# Altium PCB Iris.PcbDoc (part 6 of 13)
Units mm, origin at the board's own origin, x right, y up, seen from the top; angles counter-clockwise.
Board outline 100 x 72 mm, 6 copper layers (Top Layer, PowerPlane1, MidLayer1, MidLayer2, PowerPlane2, Bottom Layer), stack 1.561 mm thick; 396 components, 379 nets, 1616 pads, 658 vias.
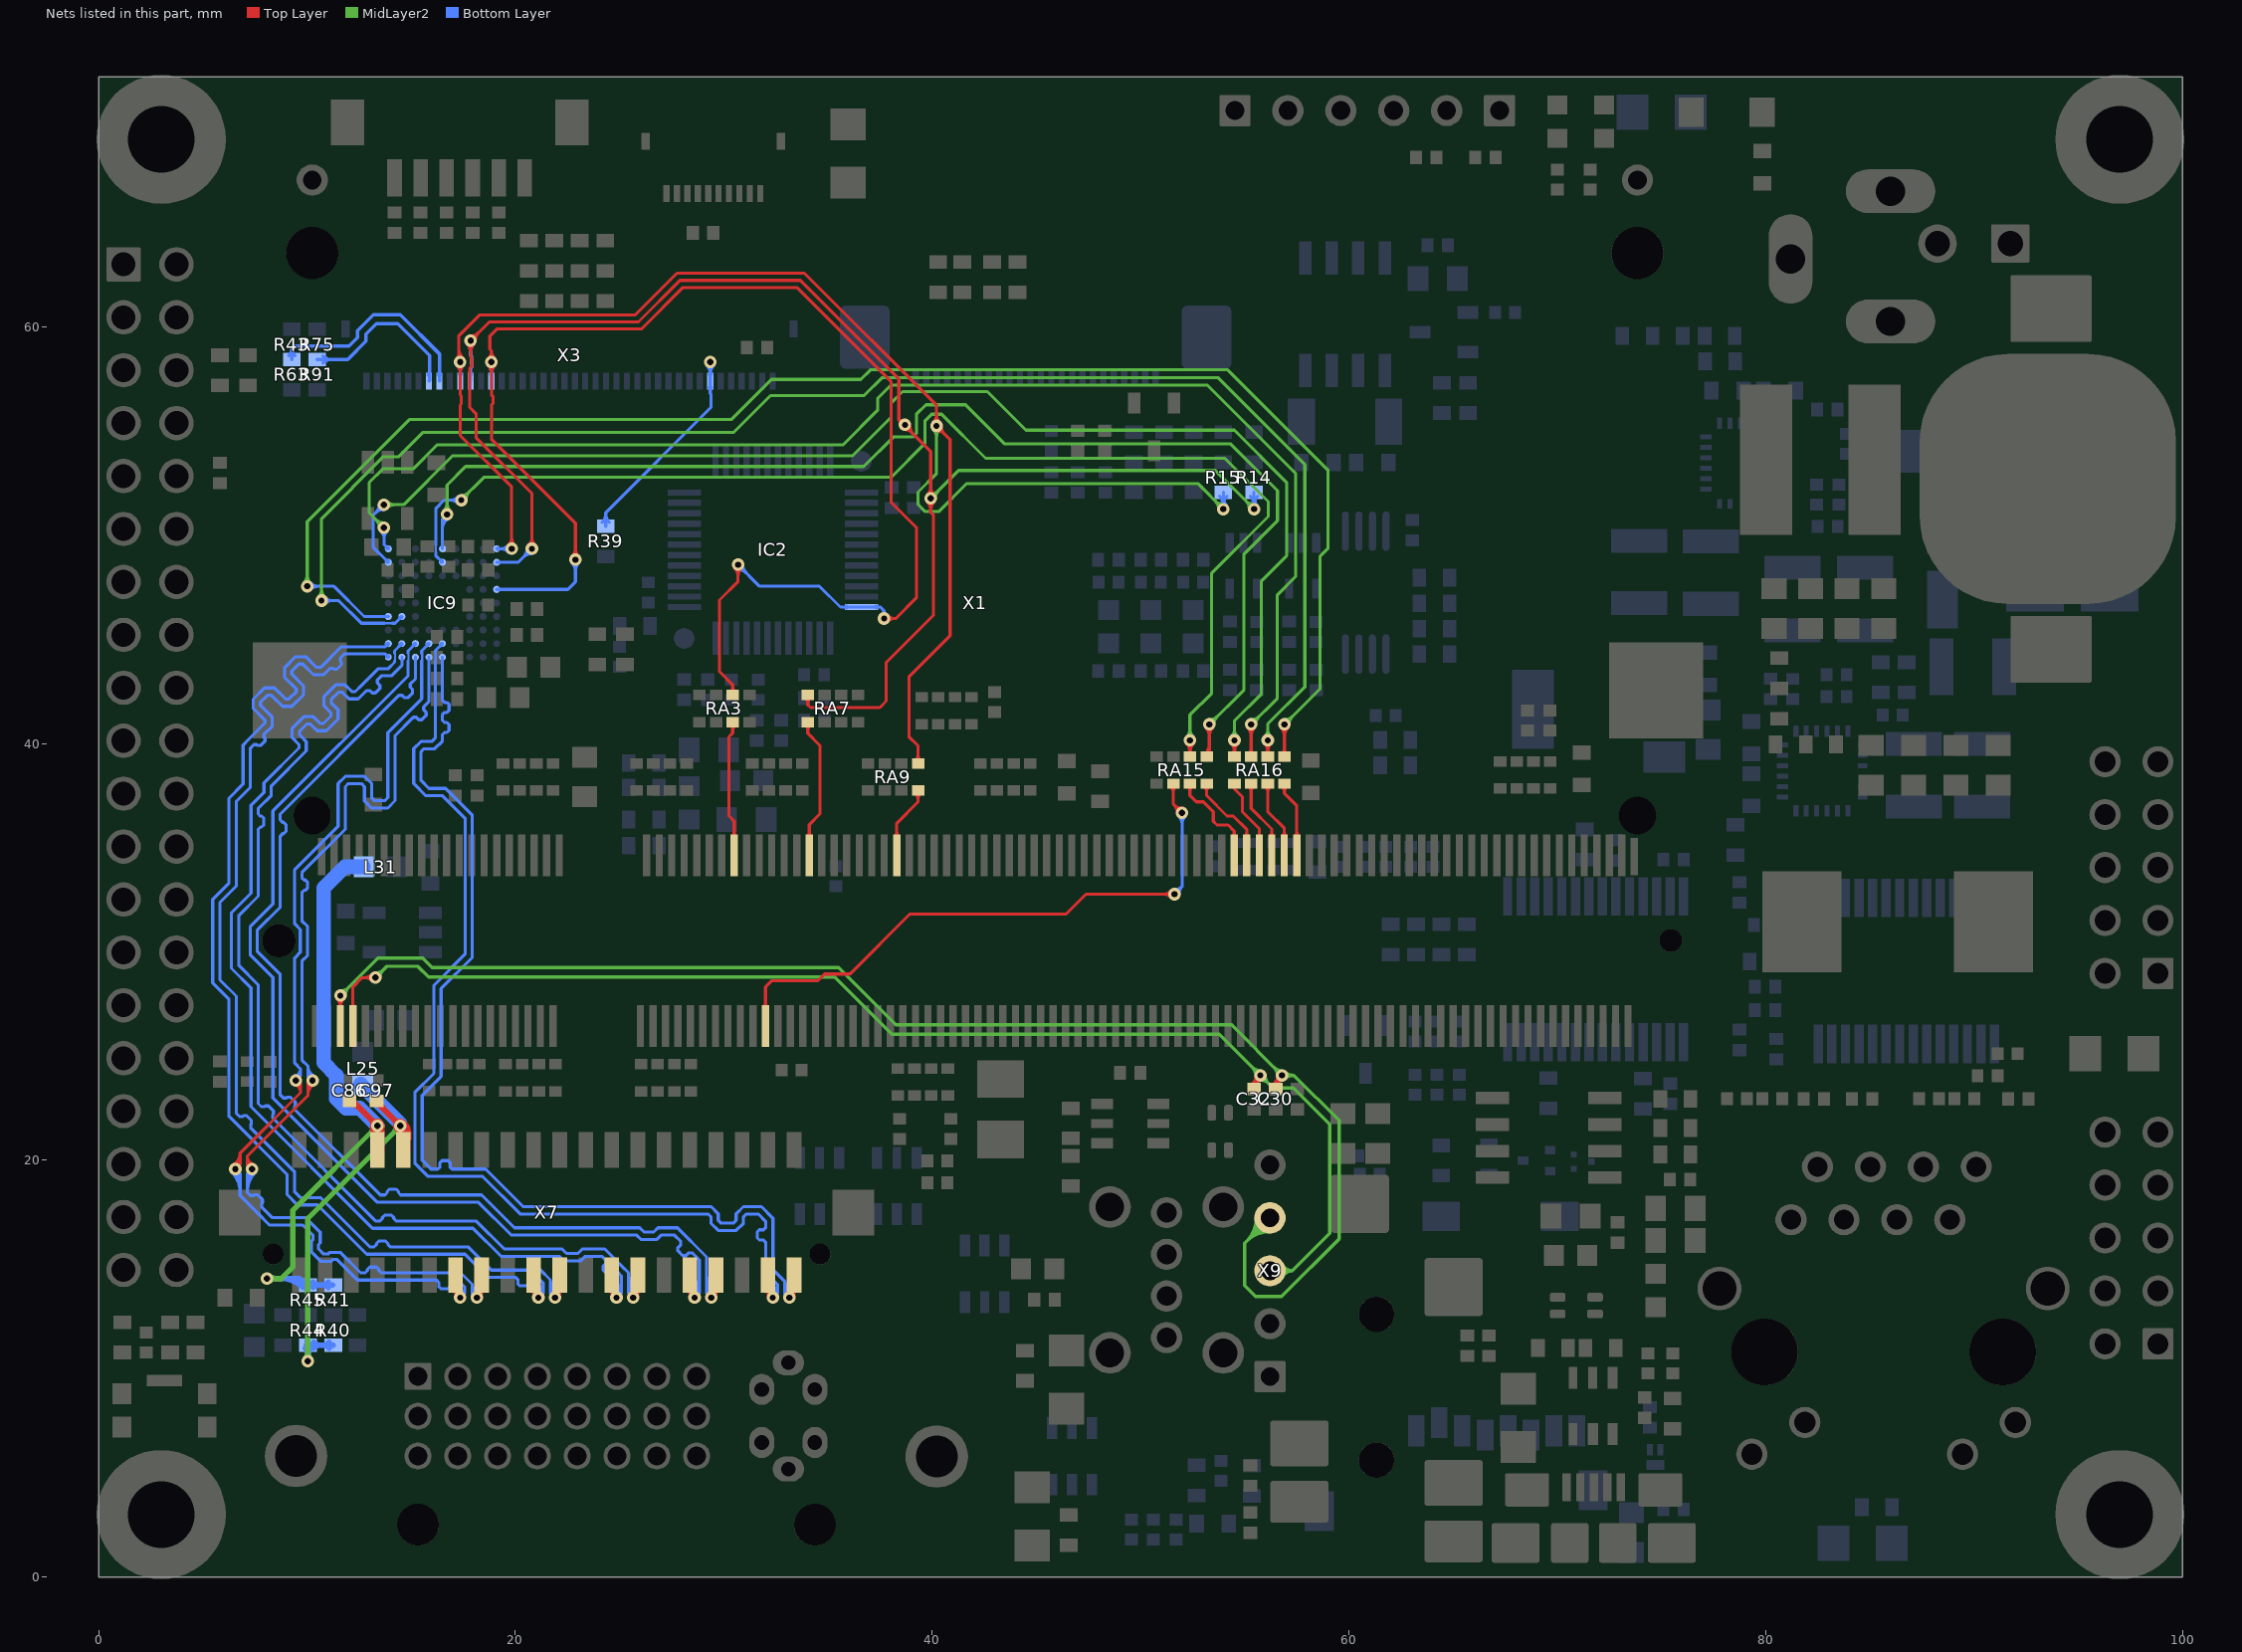
[diagram p10: the nets of this part, all layers, seen from the top]

## Via types
v1: diameter 0.6, hole 0.3, Top Layer to Bottom Layer, tented both sides, 651 vias
v2: diameter 0.55, hole 0.3, Top Layer to Bottom Layer, tented both sides, 7 vias

## Nets (pads, with @x,y where several pads share a name; then routed paths per layer and width w, separated by ;. In a path a pad name is that pad's centre, name@x,y a point inside that pad or via, vN(x,y) a via of type N, cw(c..) or ccw(c..) an arc to the next point about the centre after c; other vN are vias at no path point) (continued)
LCD_D_17_S: RA15.2 X1.61 | length 33.5
  Top Layer w0.15: X1.61@31.929,27.393 ccw(c31.759,27.563) 32,27.563 ccw(c32.241,27.563) X1.61@32.071,27.393 ; X1.61@32,26.446 32,28.317 32.309,28.626 34.519,28.626 34.837,28.944 36.056,28.944 38.929,31.817 46.43,31.817 47.388,32.775 v1(51.627,32.775) ; RA15.2@51.451,37.952 cw(c51.152,37.654) 51.575,37.654 cw(c51.997,37.654) RA15.2@51.698,37.952 ; v1@51.468,32.616 ccw(c51.083,32.232) 51.083,32.775 ccw(c51.083,33.318) v1@51.468,32.934 ; RA15.2@51.575,38.178 51.575,37.097 v1(51.994,36.678) ; v1@51.769,36.678 ccw(c51.226,36.678) 51.61,37.062 ccw(c51.994,37.446) v1@51.994,36.903
  Bottom Layer w0.15: v1(51.627,32.775) 51.994,33.142 ; v1@51.634,33 ccw(c51.65,33.486) 51.994,33.142 ; v1@51.835,36.519 cw(c51.451,36.134) 51.994,36.134 cw(c52.537,36.134) v1@52.153,36.519 ; v1@51.851,32.782 cw(c52.338,32.798) 51.994,33.142 ; v1(51.994,36.678) 51.994,33.142
LCD_D_18: IC9.H5 RA15.7 | length 65
  Top Layer w0.15: v1@52.215,39.998 cw(c51.831,39.614) 52.375,39.614 cw(c52.918,39.614) v1@52.534,39.998 ; RA15.7@52.251,39.5 ccw(c51.952,39.799) 52.375,39.799 ccw(c52.797,39.799) RA15.7@52.498,39.5 ; RA15.7@52.375,39.376 v1(52.375,40.157)
  MidLayer2 w0.15: v1@17.402,51.703 18.478,52.779 38.034,52.779 39.649,54.394 39.649,55.474 39.98,55.804 40.462,55.804 42.57,53.696 54.051,53.696 56.134,51.613 56.134,50.902 53.416,48.184 53.416,42.418 52.375,41.376 v1(52.375,40.157) ; v1@17.403,51.91 ccw(c17.403,52.406) 17.754,52.055 ; v1@17.628,51.685 cw(c18.219,51.685) 17.801,52.102 ; v1@52.215,40.316 ccw(c51.831,40.701) 52.375,40.701 ccw(c52.918,40.701) v1@52.534,40.316
  Bottom Layer w0.105: 16.175,49.174 16.175,49.526
  Bottom Layer w0.15: 16.175,49.174 16.175,49.025 IC9.H5@16.5,48.7 ; 16.175,49.526 16.175,51.275 16.584,51.685 v1(17.403,51.685) ; IC9.H5@16.43,48.7 ccw(c16.261,48.7) 16.381,48.819 ccw(c16.5,48.939) IC9.H5@16.5,48.77 ; v1@17.244,51.526 ccw(c16.86,51.141) 16.86,51.685 ccw(c16.86,52.228) v1@17.244,51.844
LCD_D_18_S: RA15.3 X1.136 | length 5.9
  Top Layer w0.15: RA15.3@52.26,37.944 cw(c52.044,37.694) 52.375,37.694 cw(c52.705,37.694) RA15.3@52.489,37.944 ; RA15.3@52.375,38.178 52.375,37.516 52.688,37.203 53.024,37.203 53.492,36.734 53.492,36.271 53.67,36.093 54.204,36.093 54.5,35.797 X1.136@54.5,34.646 ; X1.136@54.429,35.567 ccw(c54.259,35.738) 54.5,35.738 ccw(c54.741,35.738) X1.136@54.571,35.567
LCD_D_19: IC9.J5 RA15.8 | length 65.4
  Top Layer w0.15: RA15.8@53.101,39.5 ccw(c52.616,39.985) 53.302,39.985 ; v1@53.143,40.76 cw(c52.758,40.376) 53.302,40.376 cw(c53.845,40.376) v1@53.461,40.76 ; RA15.8@53.175,39.376 53.302,39.503 v1(53.302,40.919) ; RA15.8@53.207,39.394 ccw(c52.978,39.622) RA15.8@53.302,39.622
  MidLayer2 w0.15: v1@16.557,51.157 ccw(c16.173,51.541) 16.716,51.541 ccw(c17.26,51.541) v1@16.876,51.157 ; v1(16.716,50.998) 16.716,52.403 17.609,53.296 36.717,53.296 38.132,54.712 39.065,54.712 39.243,54.889 39.243,55.804 39.7,56.261 41.605,56.261 43.485,54.381 54.331,54.381 56.572,52.14 56.572,50.705 54.966,49.098 54.966,42.583 v1(53.302,40.919) ; v1@53.302,41.144 ccw(c53.302,41.688) 53.686,41.304 ccw(c54.07,40.919) v1@53.527,40.919
  Bottom Layer w0.15: IC9.J5@16.5,49.35 16.5,50.781 v1(16.716,50.998) ; 16.5,50.368 cw(c17.059,50.317) v1@16.766,50.796 ; 16.5,50.47 cw(c17.059,50.419) v1@16.766,50.898
LCD_D_19_S: RA15.4 X1.138 | length 5.5
  Top Layer w0.15: RA15.4@53.057,37.947 cw(c52.816,37.681) 53.175,37.681 cw(c53.533,37.681) RA15.4@53.292,37.947 ; RA15.4@53.175,38.178 53.175,37.503 54.153,36.525 54.458,36.525 55.1,35.883 X1.138@55.1,34.646 ; X1.138@55.029,35.567 ccw(c54.859,35.738) 55.1,35.738 ccw(c55.341,35.738) X1.138@55.171,35.567
LCD_D_20: IC9.H1 RA16.5 | length 69.6
  Top Layer w0.15: v1@54.349,39.998 cw(c53.965,39.614) 54.508,39.614 cw(c55.052,39.614) v1@54.667,39.998 ; RA16.5@54.385,39.5 ccw(c54.086,39.799) 54.508,39.799 ccw(c54.931,39.799) RA16.5@54.632,39.5 ; RA16.5@54.508,39.376 v1(54.508,40.157)
  MidLayer2 w0.15: v1(13.684,51.467) 14.637,51.467 16.983,53.813 36.186,53.813 38.024,55.651 38.024,56.337 38.583,56.896 42.647,56.896 44.501,55.042 54.508,55.042 57.01,52.54 57.01,49.009 55.804,47.803 55.804,42.393 54.508,41.097 v1(54.508,40.157) ; v1@13.843,51.308 cw(c14.228,50.923) 14.228,51.467 cw(c14.228,52.01) v1@13.843,51.626 ; v1@54.349,40.316 ccw(c53.965,40.701) 54.508,40.701 ccw(c55.052,40.701) v1@54.667,40.316
  Bottom Layer w0.15: v1@13.459,51.467 cw(c12.916,51.467) 13.3,51.083 cw(c13.684,50.698) v1@13.684,51.242 ; v1(13.684,51.467) 13.164,50.947 13.164,49.436 IC9.H1@13.9,48.7 ; IC9.H1@13.83,48.7 ccw(c13.661,48.7) 13.781,48.819 ccw(c13.9,48.939) IC9.H1@13.9,48.77
LCD_D_20_S: RA16.1 X1.140 | length 4
  Top Layer w0.15: RA16.1@54.508,38.076 54.508,37.821 54.889,37.44 54.889,36.728 55.702,35.916 55.702,34.72 X1.140@55.776,34.646
LCD_D_21: IC9.J1 RA16.6 | length 70.9
  Top Layer w0.15: v1@55.149,40.76 cw(c54.765,40.376) 55.308,40.376 cw(c55.852,40.376) v1@55.468,40.76 ; RA16.6@55.185,39.5 ccw(c54.886,39.799) 55.308,39.799 ccw(c55.731,39.799) RA16.6@55.432,39.5 ; RA16.6@55.308,39.376 v1(55.308,40.919)
  MidLayer2 w0.15: v1@13.466,50.368 ccw(c12.922,50.368) 13.306,50.752 ccw(c13.691,51.136) v1@13.691,50.593 ; v1(13.691,50.368) 12.979,51.079 12.979,52.527 13.64,53.188 15.088,53.188 16.231,54.331 35.712,54.331 37.38,55.999 37.38,56.557 38.024,57.201 53.212,57.201 57.448,52.965 57.448,48.025 56.566,47.142 56.566,42.177 v1(55.308,40.919) ; v1@55.308,41.144 ccw(c55.308,41.688) 55.693,41.303 ccw(c56.077,40.919) v1@55.533,40.919
  Bottom Layer w0.15: v1@13.532,50.209 cw(c13.132,49.81) 13.697,49.81 ; 13.697,49.84 cw(c14.219,49.84) v1@13.85,50.209 ; v1@13.697,50.368 13.697,49.553 IC9.J1@13.9,49.35 ; IC9.J1@13.83,49.35 ccw(c13.661,49.35) 13.781,49.469 ccw(c13.9,49.589) IC9.J1@13.9,49.42
LCD_D_21_S: RA16.2 X1.142 | length 4.9
  Top Layer w0.15: RA16.2@55.185,37.952 cw(c54.886,37.654) 55.308,37.654 cw(c55.731,37.654) RA16.2@55.432,37.952 ; RA16.2@55.308,38.076 55.308,36.894 56.3,35.902 X1.142@56.3,34.646 ; X1.142@56.229,35.593 ccw(c56.059,35.763) 56.3,35.763 ccw(c56.541,35.763) X1.142@56.371,35.593
LCD_D_22: IC9.D2 RA16.7 | length 79.2
  Top Layer w0.15: v1@55.949,39.998 cw(c55.565,39.614) 56.108,39.614 cw(c56.652,39.614) v1@56.267,39.998 ; RA16.7@55.985,39.5 ccw(c55.686,39.799) 56.108,39.799 ccw(c56.531,39.799) RA16.7@56.232,39.5 ; RA16.7@56.108,39.376 v1(56.108,40.157)
  MidLayer2 w0.15: v1@10.533,47.023 ccw(c10.149,47.407) 10.692,47.407 ccw(c11.236,47.407) v1@10.851,47.023 ; v1(10.692,46.864) 10.692,50.799 13.665,53.772 14.402,53.772 15.57,54.94 30.483,54.94 32.244,56.701 36.737,56.701 37.605,57.569 53.708,57.569 57.887,53.391 57.887,42.723 56.108,40.945 v1(56.108,40.157) ; v1@55.949,40.316 ccw(c55.565,40.701) 56.108,40.701 ccw(c56.652,40.701) v1@56.267,40.316
  Bottom Layer w0.105: 13.724,45.775 14.076,45.775
  Bottom Layer w0.15: v1(10.692,46.864) 11.518,46.864 12.608,45.775 13.724,45.775 ; v1@10.851,46.705 cw(c11.236,46.321) 11.236,46.864 cw(c11.236,47.407) v1@10.851,47.023 ; 14.076,45.775 14.225,45.775 IC9.D2@14.55,46.1 ; IC9.D2@14.48,46.1 cw(c14.311,46.1) 14.431,45.981 cw(c14.55,45.861) IC9.D2@14.55,46.03
LCD_D_22_S: RA16.3 X1.144 | length 4.8
  Top Layer w0.15: RA16.3@55.985,37.952 cw(c55.686,37.654) 56.108,37.654 cw(c56.531,37.654) RA16.3@56.232,37.952 ; RA16.3@56.108,38.076 56.108,36.729 56.9,35.937 X1.144@56.9,34.646 ; X1.144@56.829,35.593 ccw(c56.659,35.763) 56.9,35.763 ccw(c57.141,35.763) X1.144@56.971,35.593
LCD_D_23: IC9.D1 RA16.8 | length 80.3
  Top Layer w0.15: v1@56.749,40.76 cw(c56.365,40.376) 56.908,40.376 cw(c57.452,40.376) v1@57.067,40.76 ; RA16.8@56.785,39.5 ccw(c56.486,39.799) 56.908,39.799 ccw(c57.331,39.799) RA16.8@57.032,39.5 ; RA16.8@56.908,39.376 v1(56.908,40.919)
  MidLayer2 w0.15: v1@9.846,47.71 ccw(c9.462,48.094) 10.005,48.094 ccw(c10.549,48.094) v1@10.165,47.71 ; v1(10.005,47.551) 10.005,50.645 14.91,55.55 30.353,55.55 32.283,57.48 36.576,57.48 37.033,57.937 54.178,57.937 59.004,53.111 59.004,49.378 58.623,48.997 58.623,42.634 v1(56.908,40.919) ; v1@56.908,41.144 ccw(c56.908,41.688) 57.293,41.303 ccw(c57.677,40.919) v1@57.133,40.919
  Bottom Layer w0.15: v1(10.005,47.551) 11.291,47.551 12.742,46.1 IC9.D1@13.9,46.1 ; v1@10.165,47.392 cw(c10.549,47.008) 10.549,47.551 cw(c10.549,48.094) v1@10.165,47.71
LCD_D_23_S: RA16.4 X1.146 | length 4.7
  Top Layer w0.15: RA16.4@56.785,37.952 cw(c56.486,37.654) 56.908,37.654 cw(c57.331,37.654) RA16.4@57.032,37.952 ; RA16.4@56.908,38.076 56.908,37.605 57.5,37.013 X1.146@57.5,34.646 ; X1.146@57.429,35.593 ccw(c57.259,35.763) 57.5,35.763 ccw(c57.741,35.763) X1.146@57.571,35.593
LCD_FCLK_RD: IC9.J9 R15.1 RA9.8 X3.31 | length 92
  Top Layer w0.15: v1@17.191,58.151 cw(c16.807,57.767) 17.35,57.767 cw(c17.893,57.767) v1@17.509,58.151 ; v1@17.191,58.469 ccw(c16.995,58.665) 17.272,58.665 ; 17.272,58.68 ccw(c17.719,58.68) v1@17.403,58.363 ; 17.272,59.042 ccw(c18.082,59.042) v1@17.509,58.469 ; v1@19.659,49.509 ccw(c19.275,49.893) 19.818,49.893 ccw(c20.361,49.893) v1@19.977,49.509 ; v1(19.818,49.35) 19.818,52.318 17.35,54.786 17.35,56.245 17.399,56.294 17.399,56.685 17.35,56.734 v1(17.35,58.31) 17.272,58.388 17.272,59.563 18.288,60.579 25.76,60.579 27.755,62.574 33.87,62.574 40.208,56.236 v1(40.208,55.245) 40.863,54.591 40.863,45.181 38.887,43.205 38.887,40.335 39.324,39.899 RA9.8@39.324,39.046 ; RA9.8@39.2,39.17 ccw(c38.902,39.469) 39.324,39.469 ccw(c39.747,39.469) RA9.8@39.448,39.17 ; v1@40.049,55.404 ccw(c39.665,55.788) 40.208,55.788 ccw(c40.751,55.788) v1@40.367,55.404 ; v1@40.208,55.02 cw(c40.208,54.477) 40.592,54.861 cw(c40.976,55.245) v1@40.433,55.245
  MidLayer2 w0.15: v1@40.049,55.086 cw(c39.665,54.702) 40.208,54.702 cw(c40.751,54.702) v1@40.367,55.086 ; v1(40.208,55.245) 40.208,52.959 39.319,52.07 39.319,51.486 39.675,51.13 40.31,51.13 41.659,52.479 52.752,52.479 v1(53.975,51.256) ; v1@53.75,51.256 ccw(c53.207,51.256) 53.591,51.64 ccw(c53.975,52.024) v1@53.975,51.481
  Bottom Layer w0.15: X3.31@17.297,57.703 ccw(c17.169,57.831) 17.35,57.831 ccw(c17.531,57.831) X3.31@17.403,57.703 ; X3.31@17.35,57.4 v1(17.35,58.31) ; IC9.J9@19.1,49.35 v1(19.818,49.35) ; IC9.J9@19.149,49.301 cw(c19.269,49.181) 19.269,49.35 cw(c19.269,49.519) IC9.J9@19.149,49.399 ; v1@19.659,49.191 ccw(c19.275,48.807) 19.275,49.35 ccw(c19.275,49.893) v1@19.659,49.509 ; R15.1@53.798,51.879 cw(c53.371,51.453) 53.975,51.453 cw(c54.579,51.453) R15.1@54.152,51.879 ; v1@53.816,51.415 ccw(c53.432,51.799) 53.975,51.799 ccw(c54.518,51.799) v1@54.134,51.415 ; v1@53.838,51.434 ccw(c53.701,51.611) 53.917,51.669 ccw(c54.26,51.761) v1@54.086,51.452 ; v1@53.864,51.452 ccw(c53.69,51.761) 54.033,51.669 ccw(c54.249,51.611) v1@54.112,51.434 ; v1(53.975,51.256) R15.1@53.975,52.056 ; X3.31@17.35,57.767 ccw(c16.807,57.767) 17.191,58.151 cw(c16.807,57.767) X3.31@17.35,57.767 ; X3.31@17.35,57.767 cw(c17.893,57.767) 17.509,58.151 ccw(c17.893,57.767) X3.31@17.35,57.767
LCD_FCLK_RD_S: RA9.4 X1.82 | length 4.6
  Top Layer w0.15: X1.82@38.229,35.593 ccw(c38.059,35.763) 38.3,35.763 ccw(c38.541,35.763) X1.82@38.371,35.593 ; X1.82@38.3,34.646 38.3,36.179 39.324,37.203 RA9.4@39.324,37.746 ; RA9.4@39.2,37.622 cw(c38.902,37.324) 39.324,37.324 cw(c39.747,37.324) RA9.4@39.448,37.622
LCD_LCLK_A0: IC9.H9 R14.1 RA7.5 X3.30 | length 90.8
  Top Layer w0.15: v1@17.691,59.177 cw(c17.307,58.793) 17.85,58.793 cw(c18.393,58.793) v1@18.009,59.177 ; v1@17.85,59.158 17.85,58.555 17.904,58.5 17.904,58.12 17.803,58.019 17.803,56.137 18.11,55.829 18.11,54.686 20.79,52.007 v1(20.79,49.35) ; v1(17.85,59.336) 18.751,60.237 25.902,60.237 27.897,62.232 33.678,62.232 38.405,57.506 38.405,55.536 ; v1@17.85,59.561 ccw(c17.85,60.104) 18.234,59.72 ccw(c18.618,59.336) v1@18.075,59.336 ; v1@20.63,49.509 ccw(c20.246,49.893) 20.79,49.893 ccw(c21.333,49.893) v1@20.949,49.509 ; RA7.5@33.912,42.208 cw(c33.623,41.919) 34.032,41.919 ; 34.032,41.899 cw(c34.468,41.899) RA7.5@34.16,42.208 ; RA7.5@34.032,42.332 34.032,41.863 34.163,41.732 37.49,41.732 37.795,42.037 37.795,43.891 40.053,46.149 40.053,50.981 39.929,51.105 v1(39.929,51.765) ; v1@38.473,55.329 ccw(c38.234,55.365) 38.405,55.536 ; v1@38.602,55.5 cw(c38.529,55.659) 38.405,55.536 ; v1@38.695,55.071 cw(c38.695,54.65) 38.993,54.948 ; v1@38.92,55.296 ccw(c39.586,55.296) 39.115,54.825 ; v1@39.77,51.606 cw(c39.386,51.222) 39.929,51.222 cw(c40.472,51.222) v1@40.088,51.606 ; v1@39.77,51.924 ccw(c39.386,52.308) 39.929,52.308 ccw(c40.472,52.308) v1@40.088,51.924 ; v1@39.954,51.791 v1(39.929,51.765) ; 38.405,55.536 39.929,54.012 v1(39.929,51.765)
  MidLayer2 w0.15: v1(39.929,51.765) 41.275,53.111 53.593,53.111 v1(55.448,51.256) ; v1@39.929,51.99 ccw(c39.929,52.533) 40.313,52.149 ccw(c40.697,51.765) v1@40.154,51.765 ; v1@55.223,51.256 ccw(c54.68,51.256) 55.064,51.64 ccw(c55.448,52.024) v1@55.448,51.481
  Bottom Layer w0.15: v1@17.691,59.177 cw(c17.325,58.811) 17.842,58.811 ; X3.30@17.797,57.703 ccw(c17.669,57.831) 17.85,57.831 ccw(c18.031,57.831) X3.30@17.903,57.703 ; 17.842,58.774 cw(c18.412,58.774) v1@18.009,59.177 ; v1@17.842,59.336 17.842,58.653 17.898,58.598 17.898,58.039 17.85,57.991 X3.30@17.85,57.4 ; IC9.H9@19.1,48.7 20.14,48.7 v1(20.79,49.35) ; v1@20.565,49.35 cw(c20.021,49.35) 20.405,48.966 cw(c20.79,48.582) v1@20.79,49.125 ; R14.1@55.271,51.879 cw(c54.845,51.453) 55.448,51.453 cw(c56.052,51.453) R14.1@55.625,51.879 ; v1@55.289,51.415 ccw(c54.905,51.799) 55.448,51.799 ccw(c55.991,51.799) v1@55.607,51.415 ; v1@55.311,51.434 ccw(c55.174,51.611) 55.39,51.669 ccw(c55.733,51.761) v1@55.559,51.452 ; v1@55.338,51.452 ccw(c55.163,51.761) 55.506,51.669 ccw(c55.723,51.611) v1@55.586,51.434 ; v1(55.448,51.256) R14.1@55.448,52.056
  other v1: 38.695,55.296
LCD_LCLK_A0_S: RA7.1 X1.68 | length 7.9
  Top Layer w0.15: RA7.1@33.912,40.908 cw(c33.623,40.619) 34.032,40.619 ; X1.68@34.029,35.593 ccw(c33.859,35.763) 34.1,35.763 ccw(c34.341,35.763) X1.68@34.171,35.593 ; 34.032,40.599 cw(c34.468,40.599) RA7.1@34.16,40.908 ; RA7.1@34.032,41.032 34.032,40.492 34.612,39.912 34.612,36.618 34.1,36.107 X1.68@34.1,34.646
LCD_PCLK_WR: IC2.24 IC9.F9 RA3.7 X3.28 | length 77.3
  Top Layer w0.15: v1@18.691,58.151 cw(c18.307,57.767) 18.85,57.767 cw(c19.393,57.767) v1@19.009,58.151 ; v1@18.692,58.471 ccw(c18.319,58.849) 18.85,58.849 ; v1@19.008,58.471 cw(c19.381,58.849) 18.85,58.849 ; v1@22.718,48.984 ccw(c22.334,49.368) 22.877,49.368 ccw(c23.42,49.368) v1@23.036,48.984 ; v1(22.877,48.825) 22.877,50.58 18.85,54.607 18.85,56.245 18.922,56.317 18.922,56.662 18.85,56.734 18.85,58.849 ; RA3.7@30.305,42.456 ccw(c30.007,42.754) 30.429,42.754 ccw(c30.851,42.754) RA3.7@30.553,42.456 ; RA3.7@30.429,42.332 30.429,42.825 29.794,43.459 29.794,46.888 30.684,47.778 v1(30.684,48.585) ; v1@30.524,48.426 cw(c30.14,48.042) 30.684,48.042 cw(c31.227,48.042) v1@30.843,48.426 ; v1(37.692,46.004) 38.257,46.004 39.243,46.99 39.243,50.374 38.024,51.593 38.024,57.379 33.512,61.89 28.038,61.89 26.043,59.895 19.103,59.895 18.771,59.563 18.771,58.928 18.85,58.849 ; v1@37.851,45.845 cw(c38.235,45.46) 38.235,46.004 cw(c38.235,46.547) v1@37.851,46.163
  Bottom Layer w0.15: v1@18.691,58.151 cw(c18.307,57.767) 18.85,57.767 cw(c19.393,57.767) v1@19.009,58.151 ; X3.28@18.797,57.703 ccw(c18.669,57.831) 18.85,57.831 ccw(c19.031,57.831) X3.28@18.903,57.703 ; X3.28@18.85,57.4 v1(18.85,58.31) ; IC9.F9@19.1,47.4 22.514,47.4 22.877,47.763 v1(22.877,48.825) ; v1@22.718,48.666 cw(c22.334,48.282) 22.877,48.282 cw(c23.42,48.282) v1@23.036,48.666 ; v1@30.684,48.36 cw(c30.684,47.817) 31.068,48.201 cw(c31.452,48.585) v1@30.909,48.585 ; v1(30.684,48.585) 31.72,47.549 34.595,47.549 35.594,46.55 IC2.24@36.6,46.55 37.524,46.55 37.692,46.382 ; IC2.24@35.897,46.497 ccw(c35.769,46.369) 35.769,46.55 ccw(c35.769,46.731) IC2.24@35.897,46.603 ; IC2.24@37.303,46.497 cw(c37.431,46.369) 37.431,46.55 cw(c37.431,46.731) IC2.24@37.303,46.603 ; v1@37.585,46.201 ccw(c37.487,46.382) 37.692,46.382 ; v1(37.692,46.004) 37.692,46.382 ; v1@37.8,46.201 cw(c37.898,46.382) 37.692,46.382
LCD_PCLK_WR_S: RA3.3 X1.56 | length 7.6
  Top Layer w0.15: RA3.3@30.305,40.908 cw(c30.007,40.609) 30.429,40.609 cw(c30.851,40.609) RA3.3@30.553,40.908 ; X1.56@30.429,35.593 ccw(c30.259,35.763) 30.5,35.763 ccw(c30.741,35.763) X1.56@30.571,35.593 ; RA3.3@30.429,41.032 30.429,40.507 30.248,40.327 30.248,36.531 30.5,36.279 X1.56@30.5,34.646
LCD_RESET_OUT#: R39.2 X3.7 | length 12.3
  Bottom Layer w0.152: R39.2@24.157,50.609 ccw(c23.733,51.033) 24.333,51.033 ccw(c24.934,51.033) R39.2@24.509,50.609 ; R39.2@24.333,50.433 24.333,51.079 29.388,56.134 29.388,56.769 29.35,56.807 X3.7@29.35,57.4 v1(29.35,58.31) ; v1@29.192,58.152 cw(c28.81,57.77) 29.35,57.77 cw(c29.89,57.77) v1@29.508,58.152 ; X3.7@29.298,57.098 cw(c29.172,56.972) 29.35,56.972 cw(c29.528,56.972) X3.7@29.402,57.098 ; X3.7@29.298,57.702 ccw(c29.172,57.828) 29.35,57.828 ccw(c29.528,57.828) X3.7@29.402,57.702
LCD_ROTATE_0: R43.2 R63.1 X3.33 | length 12.2
  Bottom Layer w0.165: R63.1@9.122,58.623 ccw(c8.884,58.928) 9.271,58.928 ; R63.1@9.123,58.627 ccw(c8.891,58.928) 9.271,58.928 ; R63.1@9.271,58.435 9.271,58.928 ; R63.1@9.419,58.627 cw(c9.651,58.928) 9.271,58.928 ; R63.1@9.42,58.623 cw(c9.658,58.928) 9.271,58.928 ; X3.33@16.302,57.698 ccw(c16.187,57.813) 16.35,57.813 ccw(c16.513,57.813) X3.33@16.398,57.698 ; X3.33@16.35,57.4 16.35,58.707 14.478,60.579 13.183,60.579 12.421,59.817 12.421,59.487 12.014,59.08 9.423,59.08 9.271,58.928
LCD_ROTATE_1: R75.2 R91.2 X3.34 | length 10.2
  Bottom Layer w0.165: R75.2@10.49,58.435 11.953,58.435 12.834,59.316 12.834,59.646 13.335,60.147 14.351,60.147 15.883,58.616 15.883,57.432 X3.34@15.85,57.4 ; X3.34@15.802,57.698 ccw(c15.609,57.891) 15.883,57.891 ; 11.176,58.435 ccw(c11.176,57.849) 10.762,58.263 cw(c11.176,57.849) 11.176,58.435 ; 11.176,58.435 cw(c11.176,59.02) 10.762,58.606 ccw(c11.176,59.02) 11.176,58.435
LINEIN_L: C30.2 X1.5 X9.4 | length 82.4
  Top Layer w0.152: v1@11.442,27.747 cw(c11.06,27.365) 11.6,27.365 cw(c12.14,27.365) v1@11.758,27.747 ; X1.5@11.53,27.366 ccw(c11.361,27.535) 11.6,27.535 ccw(c11.839,27.535) X1.5@11.67,27.366 ; X1.5@11.6,26.446 v1(11.6,27.905) ; X9.4@55.861,17.185 56.069,17.394 X9.4@56.493,17.394 ; C30.2@56.393,23.617 ccw(c56.313,23.774) 56.49,23.774 ; C30.2@56.45,23.382 cw(c56.752,23.549) 56.508,23.793 ; C30.2@56.49,23.426 56.49,23.774 ; 56.532,23.729 cw(c56.754,23.601) v1@56.775,23.856 ; 56.542,23.747 ccw(c56.229,23.928) v1@56.578,24.021 ; v1@56.574,24.041 cw(c56.275,23.989) 56.49,23.774 ; C30.2@56.583,23.456 cw(c56.936,23.651) v1@56.651,23.936 ; C30.2@56.586,23.617 cw(c56.666,23.774) 56.49,23.774 ; C30.2@56.717,23.53 cw(c57.121,23.753) v1(56.794,24.079) 56.49,23.774 ; v1@56.756,23.859 ccw(c56.704,23.56) 56.49,23.774
  MidLayer2 w0.165: v1(11.6,27.905) 13.403,29.708 ; v1@11.6,28.123 ccw(c11.6,28.648) 11.971,28.276 ccw(c12.343,27.905) v1@11.817,27.905 ; 13.403,29.708 15.55,29.708 16.011,29.248 35.516,29.248 38.262,26.502 54.372,26.502 v1(56.794,24.079) 57.368,24.079 59.534,21.913 59.534,16.227 56.769,13.462 55.527,13.462 54.991,13.998 54.991,16.018 X9.4@56.213,17.24 ; X9.4@55.546,17.221 cw(c54.084,17.179) 55.118,16.145 cw(c56.152,15.111) X9.4@56.194,16.573 ; X9.4@55.711,17.226 cw(c54.61,17.194) 55.389,16.416 cw(c56.167,15.637) X9.4@56.199,16.738 ; X9.4@55.876,17.23 cw(c55.137,17.209) 55.659,16.686 cw(c56.182,16.164) X9.4@56.203,16.903 ; v1@56.577,24.079 ccw(c56.052,24.079) 56.423,24.45 ccw(c56.794,24.822) v1@56.794,24.297 ; v1@56.948,23.925 cw(c57.319,23.554) 57.319,24.079 cw(c57.319,24.604) v1@56.948,24.233